# KiCad board nyx.kicad_pcb (continued)
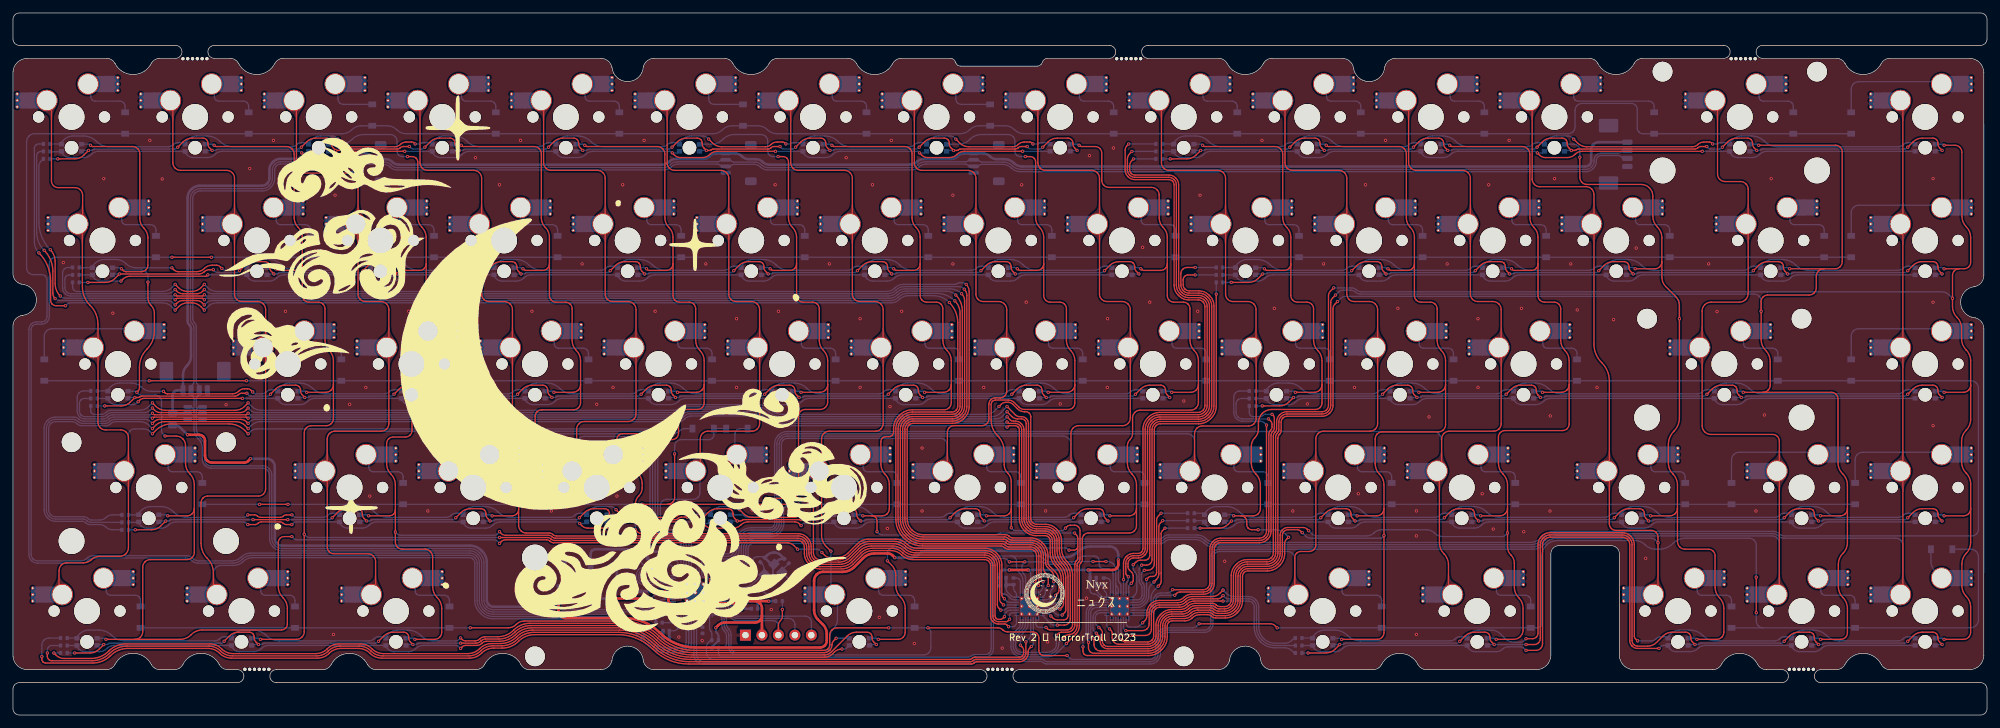
[diagram p0: board, top side]
## Routing (per net, layer and track width the routed paths; a pad name or vN(x,y) marks a point on that pad's centre or on a via; arc(x,y) is an arc through that point) (continued)
Col1: length 192
  Top w0.2: MX60.1 30.9,19.1 30.9,21.9 arc(30.66,23.12) 29.96,24.16 29.94,24.19 arc(29.24,25.22) 29,26.45 29,32.76 arc(29.08,33.14) 29.29,33.47 29.31,33.48 arc(29.63,33.7) 30.01,33.77 37.84,33.77 arc(38.27,33.86) 38.62,34.09 38.63,34.1 arc(38.87,34.46) 38.95,34.88 38.95,56.29 MX32.1 38.95,57.07 38.95,62.52 arc(38.85,63) 38.58,63.4 38.58,63.41 arc(38.18,63.68) 37.7,63.77 35.27,63.77 arc(34.85,63.86) 34.49,64.09 34.47,64.12 arc(34.23,64.47) 34.15,64.89 34.15,75.38 MX17.1 34.15,76.08 34.15,82.79 arc(34.06,83.25) 33.8,83.64 33.79,83.64 arc(33.4,83.9) 32.94,84 25.83,84 arc(25.39,84.08) 25.01,84.33 24.99,84.36 arc(24.74,84.73) 24.65,85.17 24.65,94.4 MX2.1
  Bottom w0.2: MX60.1 30.9,19.1 30.9,21.9 arc(30.99,22.34) 31.24,22.71 31.26,22.74 arc(31.64,22.98) 32.08,23.07 34.06,23.07 arc(34.83,23.22) 35.47,23.66 35.5,23.69 arc(36.15,24.12) 36.92,24.27 70.34,24.27 arc(70.67,24.21) 70.95,24.02 70.95,24.02 arc(71.13,23.75) 71.2,23.42 71.2,17.62 arc(71.39,16.64) 71.94,15.81 72.16,15.6 arc(72.99,15.04) 73.96,14.85 91.88,14.85 arc(93.58,14.51) 95.03,13.55 97.66,10.92 arc(99.1,9.95) 100.8,9.61 103.08,9.61 arc(103.65,9.73) 104.14,10.05 104.15,10.06 arc(104.47,10.54) 104.58,11.12 U3.37
Col2: length 185.4
  Top w0.2: MX3.1 43.7,94.4 43.7,84.75 arc(43.79,84.31) 44.04,83.94 44.06,83.91 arc(44.44,83.67) 44.88,83.58 51.99,83.58 arc(52.45,83.49) 52.84,83.23 52.85,83.22 arc(53.11,82.83) 53.2,82.37 53.2,76.08 MX18.1 53.2,75.38 53.2,64.89 arc(53.28,64.47) 53.52,64.12 53.54,64.09 arc(53.9,63.86) 54.32,63.77 56.7,63.77 arc(57.18,63.68) 57.58,63.41 57.58,63.4 arc(57.85,63) 57.95,62.52 57.95,57.02 MX33.1 57.95,56.34 57.95,44.95 arc(57.86,44.51) 57.61,44.14 57.59,44.11 arc(57.21,43.86) 56.77,43.77 49.63,43.77 arc(49.19,43.68) 48.81,43.44 48.79,43.41 arc(48.54,43.04) 48.45,42.6 48.45,37.99 MX46.1 48.45,37.26 48.45,25.89 arc(48.53,25.5) 48.74,25.18 48.76,25.17 arc(49.08,24.95) 49.46,24.87 54.72,24.87 arc(55.16,24.78) 55.54,24.54 55.56,24.51 arc(55.81,24.14) 55.9,23.7 55.9,19.25 MX61.1
  Bottom w0.2: MX46.1 48.45,37.99 48.45,42.6 arc(48.54,43.04) 48.79,43.41 48.81,43.44 arc(49.19,43.68) 49.63,43.77 97.5,43.77 arc(98.05,43.66) 98.52,43.35 98.58,43.3 arc(98.89,42.83) 99,42.27 99,29.25 arc(99.11,28.72) 99.41,28.26 99.49,28.18 arc(99.94,27.88) 100.48,27.77 102.47,27.77 arc(102.95,27.68) 103.35,27.41 103.42,27.34 arc(103.69,26.93) 103.78,26.45 U3.4
Col3: length 139
  Top w0.2: MX4.1 62.75,94.4 62.75,85.17 arc(62.84,84.73) 63.09,84.36 63.11,84.33 arc(63.49,84.08) 63.93,84 71.04,84 arc(71.5,83.9) 71.89,83.64 71.9,83.64 arc(72.16,83.25) 72.25,82.79 72.25,76.08 MX19.1 72.25,75.38 72.25,64.89 arc(72.33,64.47) 72.57,64.12 72.59,64.09 arc(72.95,63.86) 73.37,63.77 75.75,63.77 arc(76.23,63.68) 76.63,63.41 76.63,63.4 arc(76.9,63) 77,62.52 77,57.02 MX34.1 77,56.34 77,44.95 arc(76.91,44.51) 76.66,44.14 76.64,44.11 arc(76.26,43.86) 75.82,43.77 69.03,43.77 arc(68.59,43.68) 68.21,43.44 68.19,43.41 arc(67.94,43.04) 67.85,42.6 67.85,38.34 MX47.1
  Bottom w0.2: MX47.1 67.8,38.29 67.8,42.36 arc(67.88,42.74) 68.09,43.07 68.11,43.08 arc(68.43,43.3) 68.81,43.37 97.42,43.37 arc(97.86,43.28) 98.24,43.04 98.26,43.01 arc(98.51,42.64) 98.6,42.2 98.6,29.18 arc(98.73,28.53) 99.1,27.97 99.2,27.87 arc(99.75,27.5) 100.4,27.37 102.39,27.37 arc(102.75,27.3) 103.06,27.09 103.11,27.05 arc(103.31,26.74) 103.38,26.38 U3.3
Col4: length 118.8
  Top w0.2: MX5.1 81.8,94.4 81.8,85.17 arc(81.89,84.73) 82.14,84.36 82.16,84.33 arc(82.54,84.08) 82.98,84 90.09,84 arc(90.55,83.9) 90.94,83.64 90.95,83.64 arc(91.21,83.25) 91.3,82.79 91.3,76.08 MX20.1 91.3,75.38 91.3,64.89 arc(91.38,64.47) 91.62,64.12 91.64,64.09 arc(92,63.86) 92.42,63.77 94.8,63.77 arc(95.28,63.68) 95.68,63.41 95.68,63.4 arc(95.95,63) 96.05,62.52 96.05,57.02 MX35.1 96.05,56.34 96.05,46.45 arc(95.96,46.01) 95.71,45.64 95.69,45.61 arc(95.31,45.36) 94.87,45.27 88.08,45.27 arc(87.64,45.18) 87.26,44.94 87.24,44.91 arc(86.99,44.54) 86.9,44.1 86.9,38.34 MX48.1
  Bottom w0.2: MX48.1 86.9,38.34 86.9,41.8 arc(86.99,42.24) 87.24,42.61 87.26,42.64 arc(87.64,42.88) 88.08,42.97 97.35,42.97 arc(97.67,42.91) 97.95,42.72 97.95,42.72 arc(98.14,42.45) 98.2,42.12 98.2,29.1 arc(98.35,28.34) 98.79,27.69 98.92,27.55 arc(99.57,27.12) 100.34,26.96 102.32,26.96 arc(102.57,26.92) 102.78,26.77 102.79,26.76 arc(102.94,26.55) 102.98,26.3 U3.2
Col5: length 102.8
  Top w0.2: MX49.1 105.95,38.34 105.95,42.6 arc(106.04,43.04) 106.29,43.41 106.31,43.44 arc(106.69,43.68) 107.13,43.77 113.92,43.77 arc(114.36,43.86) 114.74,44.11 114.76,44.14 arc(115.01,44.51) 115.1,44.95 115.1,56.34 MX36.1 115.1,57.02 115.1,62.52 arc(115,63) 114.73,63.4 114.73,63.41 arc(114.33,63.68) 113.85,63.77 111.47,63.77 arc(111.05,63.86) 110.69,64.09 110.67,64.12 arc(110.43,64.47) 110.35,64.89 110.35,75.38 MX21.1 110.35,76.08 110.35,82.79 arc(110.26,83.25) 110,83.64 109.99,83.64 arc(109.6,83.9) 109.14,84 102,84 arc(101.56,84.08) 101.19,84.33 101.19,84.34 arc(100.94,84.71) 100.85,85.15 100.85,94.4 MX6.1
  Bottom w0.2: MX49.1 105.9,36.96 105.9,34.29 arc(105.82,33.9) 105.61,33.58 105.59,33.57 arc(105.27,33.35) 104.89,33.27 100.81,33.27 arc(100.43,33.2) 100.11,32.98 100.09,32.97 arc(99.88,32.64) 99.8,32.26 99.8,29.4 arc(99.86,29.1) 100.03,28.84 100.07,28.81 arc(100.33,28.63) 100.63,28.57 102.53,28.57 arc(103.24,28.43) 103.84,28.03 104.04,27.83 arc(104.44,27.23) 104.58,26.52 U3.6
Col6: length 130.9
  Top w0.2: MX7.1 119.9,94.4 119.9,85.17 arc(119.99,84.73) 120.24,84.36 120.26,84.33 arc(120.64,84.08) 121.08,84 128.19,84 arc(128.65,83.9) 129.04,83.64 129.05,83.64 arc(129.31,83.25) 129.4,82.79 129.4,76.08 MX22.1 129.4,75.38 129.4,64.89 arc(129.48,64.47) 129.72,64.12 129.74,64.09 arc(130.1,63.86) 130.52,63.77 132.9,63.77 arc(133.38,63.68) 133.78,63.41 133.78,63.4 arc(134.05,63) 134.15,62.52 134.15,57.02 MX37.1 134.15,56.34 134.15,44.95 arc(134.06,44.51) 133.81,44.14 133.79,44.11 arc(133.41,43.86) 132.97,43.77 125.83,43.77 arc(125.39,43.68) 125.01,43.44 124.99,43.41 arc(124.74,43.04) 124.65,42.6 124.65,37.99 MX50.1 124.65,37.26 124.65,27.76 arc(124.84,26.8) 125.38,25.99 v1(126.1,25.27)
  Bottom w0.2: v1(126.1,25.27) 126.1,19.15 MX62.1 127.1,18.15 127.1,14.75 arc(126.95,13.99) 126.51,13.34 126.51,13.33 arc(126.08,12.68) 125.93,11.92 125.93,10.59 arc(125.85,10.23) 125.65,9.92 125.63,9.9 arc(125.32,9.69) 124.96,9.62 111.62,9.62 arc(111.28,9.69) 110.99,9.89 110.96,9.91 arc(110.77,10.2) 110.7,10.55 110.7,12.41 arc(110.61,12.87) 110.35,13.26 110.34,13.27 arc(110.08,13.66) 109.99,14.12 109.99,16.19 arc(109.95,16.38) 109.84,16.54 arc(109.68,16.65) 109.5,16.68 U3.27
Col7: length 136.1
  Top w0.2: MX8.1 138.95,94.4 138.95,85.17 arc(139.04,84.73) 139.29,84.36 139.31,84.33 arc(139.69,84.08) 140.13,84 147.24,84 arc(147.7,83.9) 148.09,83.64 148.1,83.64 arc(148.36,83.25) 148.45,82.79 148.45,76.08 MX23.1 148.45,75.38 148.45,64.89 arc(148.53,64.47) 148.77,64.12 148.79,64.09 arc(149.15,63.86) 149.57,63.77 151.95,63.77 arc(152.43,63.68) 152.83,63.41 152.83,63.4 arc(153.1,63) 153.2,62.52 153.2,57.02 MX38.1 153.2,56.34 153.2,49.94 arc(153.12,49.55) 152.91,49.23 152.89,49.22 arc(152.57,49) 152.19,48.92 151.45,48.92 arc(151.08,48.85) 150.77,48.65 150.73,48.6 arc(150.52,48.29) 150.45,47.93 150.45,45.7 arc(150.37,45.3) 150.14,44.96 150.12,44.94 arc(149.78,44.71) 149.38,44.63 145.07,44.63 arc(144.69,44.55) 144.37,44.34 144.34,44.32 arc(144.13,43.99) 144.05,43.61 144.05,38.34 MX51.1
  Bottom w0.2: U3.14 107.78,22.99 arc(107.83,23.24) 107.98,23.45 108.01,23.48 arc(108.22,23.62) 108.47,23.67 110.18,23.67 arc(110.75,23.79) 111.24,24.11 111.49,24.36 arc(111.82,24.85) 111.93,25.42 111.93,25.81 arc(112.07,26.54) 112.49,27.15 112.62,27.29 arc(113.24,27.7) 113.96,27.84 116.79,27.84 arc(117.39,27.96) 117.89,28.3 118.01,28.42 arc(118.35,28.92) 118.46,29.51 118.46,41.75 arc(118.53,42.1) 118.73,42.39 118.75,42.41 arc(119.04,42.6) 119.39,42.67 142.99,42.67 arc(143.37,42.6) 143.69,42.38 143.71,42.37 arc(143.92,42.04) 144,41.66 144,38.29 MX51.1
Col8: length 156.8
  Top w0.2: MX9.1 158,94.4 158,85.17 arc(158.09,84.73) 158.34,84.36 158.36,84.33 arc(158.74,84.08) 159.18,84 166.29,84 arc(166.75,83.9) 167.14,83.64 167.15,83.64 arc(167.41,83.25) 167.5,82.79 167.5,76.08 MX24.1 167.5,75.38 167.5,64.89 arc(167.58,64.47) 167.82,64.12 167.84,64.09 arc(168.2,63.86) 168.62,63.77 171,63.77 arc(171.48,63.68) 171.88,63.41 171.88,63.4 arc(172.15,63) 172.25,62.52 172.25,57.02 MX39.1 172.25,56.34 172.25,45.8 arc(172.16,45.36) 171.91,44.99 171.89,44.96 arc(171.51,44.71) 171.07,44.62 164.28,44.62 arc(163.84,44.53) 163.46,44.29 163.44,44.26 arc(163.19,43.89) 163.1,43.45 163.1,38.34 MX52.1
  Bottom w0.2: MX52.1 163.1,38.34 163.1,41.75 arc(163,42.23) 162.73,42.64 162.72,42.66 arc(162.31,42.93) 161.83,43.02 119.36,43.02 arc(118.91,42.93) 118.52,42.67 118.47,42.62 arc(118.21,42.23) 118.11,41.77 118.11,29.53 arc(118.02,29.06) 117.75,28.65 117.66,28.56 arc(117.25,28.29) 116.77,28.19 113.94,28.19 arc(113.1,28.02) 112.39,27.55 112.22,27.39 arc(111.75,26.67) 111.58,25.83 111.58,25.44 arc(111.49,24.98) 111.23,24.6 111.06,24.42 arc(110.67,24.16) 110.21,24.07 108.39,24.07 arc(108.03,24) 107.72,23.79 107.66,23.74 arc(107.46,23.43) 107.38,23.06 U3.13
Col9: length 178.2
  Top w0.2: MX53.1 182.15,38.34 182.15,43.4 arc(182.24,43.84) 182.49,44.21 182.51,44.24 arc(182.89,44.48) 183.33,44.57 190.47,44.57 arc(190.91,44.66) 191.29,44.91 191.31,44.94 arc(191.56,45.31) 191.65,45.75 191.65,55.99 MX40.1 191.63,57.35 191.63,62.52 arc(191.54,63) 191.27,63.4 191.27,63.41 arc(190.86,63.68) 190.38,63.77 188.06,63.77 arc(187.63,63.86) 187.28,64.09 187.26,64.12 arc(187.02,64.47) 186.93,64.89 186.93,74.99 MX25.1 186.93,76.46 186.93,82.79 arc(186.84,83.25) 186.58,83.64 186.58,83.64 arc(186.19,83.9) 185.73,84 178.23,84 arc(177.79,84.08) 177.41,84.33 177.39,84.36 arc(177.14,84.73) 177.05,85.17 177.05,94.4 MX10.1
  Bottom w0.2: MX53.1 182.15,38.34 182.15,42.27 arc(182.07,42.69) 181.83,43.04 181.82,43.05 arc(181.47,43.29) 181.05,43.37 119.34,43.37 arc(118.77,43.26) 118.28,42.93 118.2,42.85 arc(117.88,42.37) 117.76,41.79 117.76,29.56 arc(117.69,29.19) 117.49,28.88 117.42,28.82 arc(117.11,28.61) 116.75,28.54 113.92,28.54 arc(112.97,28.35) 112.15,27.81 111.96,27.62 arc(111.42,26.81) 111.23,25.85 111.23,25.46 arc(111.16,25.12) 110.97,24.83 110.88,24.74 arc(110.58,24.54) 110.24,24.47 108.32,24.47 arc(107.84,24.38) 107.43,24.11 107.35,24.02 arc(107.08,23.62) 106.98,23.14 U3.12
Col10: length 222
  Top w0.2: MX63.1 197.6,19.08 197.6,24.3 arc(197.67,24.64) 197.86,24.94 197.89,24.96 arc(198.18,25.15) 198.52,25.22 199.84,25.22 arc(200.22,25.3) 200.54,25.52 200.56,25.53 arc(200.77,25.85) 200.85,26.24 200.85,37.26 MX54.1 200.85,37.99 200.85,42.6 arc(200.94,43.04) 201.19,43.41 201.21,43.44 arc(201.59,43.68) 202.03,43.77 209.2,43.77 arc(209.64,43.86) 210.01,44.11 210.04,44.14 arc(210.29,44.51) 210.38,44.95 210.38,56.31 MX41.1 210.38,57.04 210.38,62.52 arc(210.28,63) 210.01,63.4 210.01,63.41 arc(209.6,63.68) 209.12,63.77 206.75,63.77 arc(206.32,63.86) 205.97,64.09 205.95,64.12 arc(205.71,64.47) 205.63,64.89 205.63,75.35 MX26.1 205.63,76.1 205.63,82.79 arc(205.53,83.25) 205.27,83.64 205.27,83.64 arc(204.88,83.9) 204.42,84 197.25,84 arc(196.81,84.08) 196.44,84.33 196.44,84.34 arc(196.19,84.71) 196.1,85.15 196.1,94.4 MX11.1
  Bottom w0.2: MX63.1 197.6,19.08 197.6,24.12 arc(197.52,24.54) 197.28,24.89 197.27,24.9 arc(196.91,25.14) 196.49,25.22 186.01,25.22 arc(185.63,25.15) 185.31,24.93 185.29,24.92 arc(185.08,24.59) 185,24.21 185,14.05 arc(184.9,13.57) 184.63,13.17 184.58,13.12 arc(184.18,12.85) 183.7,12.75 177.93,12.75 arc(177.54,12.67) 177.22,12.46 177.19,12.43 arc(176.98,12.11) 176.9,11.72 176.9,9.46 arc(176.79,8.88) 176.46,8.39 176.38,8.31 arc(175.89,7.99) 175.32,7.87 159.32,7.87 arc(159.08,7.92) 158.87,8.06 158.85,8.08 arc(158.64,8.22) 158.39,8.27 148.67,8.27 arc(148.42,8.22) 148.21,8.08 148.19,8.06 arc(147.98,7.92) 147.73,7.87 106.36,7.87 arc(105.84,7.98) 105.4,8.27 105.38,8.29 arc(105.09,8.73) 104.98,9.25 U3.36
Col11: length 233.8
  Top w0.2: MX64.1 221.3,19.2 221.3,23.2 arc(221.12,24.1) 220.61,24.86 220.59,24.88 arc(220.08,25.65) 219.9,26.55 219.9,37.26 MX55.1 ; MX12.1 215.15,94.4 215.15,85.17 arc(215.24,84.73) 215.49,84.36 215.51,84.33 arc(215.89,84.08) 216.33,84 223.47,84 arc(223.93,83.9) 224.32,83.64 224.32,83.64 arc(224.58,83.25) 224.68,82.79 224.68,76.1 MX27.1 224.68,75.35 224.68,64.89 arc(224.76,64.47) 225,64.12 225.02,64.09 arc(225.37,63.86) 225.8,63.77 228.17,63.77 arc(228.65,63.68) 229.06,63.41 229.06,63.4 arc(229.33,63) 229.43,62.52 229.43,57.04 MX42.1 229.43,56.31 229.43,44.95 arc(229.34,44.51) 229.09,44.14 229.06,44.11 arc(228.69,43.86) 228.25,43.77 221.43,43.77 arc(220.99,43.68) 220.61,43.44 220.59,43.41 arc(220.34,43.04) 220.25,42.6 220.25,38.34
  Bottom w0.2: U3.11 106.58,23.16 arc(106.7,23.76) 107.04,24.26 107.2,24.42 arc(107.7,24.75) 108.29,24.87 110.27,24.87 arc(110.5,24.92) 110.69,25.05 110.71,25.06 arc(110.84,25.26) 110.88,25.48 110.88,25.87 arc(111.09,26.94) 111.7,27.85 111.92,28.07 arc(112.83,28.68) 113.9,28.89 116.73,28.89 arc(116.98,28.94) 117.19,29.08 117.22,29.12 arc(117.37,29.33) 117.42,29.58 117.42,41.81 arc(117.55,42.5) 117.94,43.09 118.05,43.19 arc(118.63,43.58) 119.32,43.72 218.93,43.72 arc(219.41,43.63) 219.82,43.35 219.83,43.34 arc(220.1,42.93) 220.2,42.45 220.2,38.29
Col12: length 264.2
  Top w0.2: MX65.1 253.6,19.3 v1(253.6,26.57) 253.6,27.46 arc(253.52,27.84) 253.31,28.17 253.29,28.18 arc(252.97,28.4) 252.59,28.47 247.11,28.47 arc(246.73,28.55) 246.41,28.77 246.39,28.78 arc(246.18,29.1) 246.1,29.49 246.1,37.26 MX56.1 246.1,38 246.1,51.52 arc(245.8,53.05) 244.93,54.34 244.9,54.38 arc(244.03,55.67) 243.73,57.2 243.73,75.35 MX28.1 243.73,76.1 243.73,80.27 arc(243.63,80.73) 243.37,81.12 243.37,81.13 arc(242.98,81.39) 242.52,81.48 235.38,81.48 arc(234.94,81.57) 234.56,81.81 234.54,81.84 arc(234.29,82.21) 234.2,82.65 234.2,94.4 MX13.1
  Bottom w0.2: v1(253.6,26.57) 253.19,26.98 arc(252.87,27.2) 252.49,27.27 237.96,27.27 arc(237.06,27.09) 236.3,26.58 235.98,26.26 arc(235.21,25.75) 234.32,25.57 185.99,25.57 arc(185.5,25.47) 185.07,25.19 185.03,25.15 arc(184.75,24.73) 184.65,24.23 184.65,14.07 arc(184.58,13.71) 184.37,13.4 184.35,13.38 arc(184.04,13.17) 183.68,13.1 177.91,13.1 arc(177.41,13) 176.99,12.72 176.93,12.66 arc(176.65,12.24) 176.55,11.74 176.55,9.47 arc(176.46,9.01) 176.2,8.63 176.15,8.57 arc(175.76,8.31) 175.3,8.22 159.47,8.22 arc(159.22,8.27) 159.01,8.41 158.99,8.43 arc(158.78,8.57) 158.53,8.62 148.52,8.62 arc(148.28,8.57) 148.06,8.43 148.05,8.41 arc(147.83,8.27) 147.59,8.22 106.51,8.22 arc(106.09,8.31) 105.73,8.54 105.71,8.57 arc(105.47,8.92) 105.38,9.34 U3.35
Col13: length 275.7
  Top w0.2: MX14.1 262.78,94.4 262.78,83.45 arc(262.86,83.01) 263.11,82.64 263.14,82.61 arc(263.51,82.36) 263.95,82.27 266.32,82.27 arc(266.76,82.18) 267.14,81.94 267.16,81.91 arc(267.41,81.54) 267.5,81.1 267.5,76.07 MX29.1 267.5,75.39 267.5,65.03 arc(267.4,64.51) 267.1,64.08 267.1,64.07 arc(266.66,63.78) 266.14,63.67 261.76,63.67 arc(261.24,63.57) 260.8,63.28 260.8,63.27 arc(260.5,62.83) 260.4,62.31 260.4,57.06 MX43.1 260.4,56.3 260.4,44.63 arc(260.5,44.11) 260.8,43.68 260.8,43.67 arc(261.24,43.38) 261.76,43.27 271.29,43.27 arc(271.67,43.2) 271.99,42.98 272.01,42.97 arc(272.22,42.64) 272.3,42.26 272.3,38 MX57.1 272.3,37.25 272.3,18.95 MX66.1
  Bottom w0.2: U3.18 109.4,20.28 arc(109.78,20.36) 110.11,20.58 110.14,20.61 arc(110.36,20.94) 110.43,21.32 110.43,21.75 arc(110.47,21.94) 110.58,22.11 110.6,22.13 arc(110.76,22.24) 110.96,22.27 111.62,22.27 arc(112.23,22.4) 112.75,22.74 112.86,22.85 arc(113.21,23.37) 113.33,23.98 113.33,25.73 arc(113.38,25.99) 113.53,26.22 113.55,26.24 arc(113.78,26.39) 114.05,26.44 176.89,26.44 arc(177.29,26.52) 177.63,26.75 177.64,26.77 arc(177.98,26.99) 178.38,27.07 182.25,27.07 arc(183,26.92) 183.63,26.5 183.64,26.49 arc(184.27,26.07) 185.02,25.92 234.17,25.92 arc(235.07,26.1) 235.83,26.61 236.16,26.93 arc(236.92,27.44) 237.82,27.62 271.19,27.62 arc(271.62,27.54) 271.97,27.3 271.98,27.29 arc(272.22,26.94) 272.3,26.52 272.3,18.95 MX66.1
Col14: length 274.1
  Top w0.2: MX15.1 291.35,94.4 291.35,76.1 MX30.1 291.35,75.35 291.35,57.05 MX44.1 291.35,56.3 291.35,38 MX58.1 291.35,37.25 291.35,18.95 MX67.1
  Bottom w0.2: U3.17 109.3,20.68 arc(109.59,20.74) 109.83,20.9 109.86,20.94 arc(110.03,21.18) 110.08,21.47 110.08,21.77 arc(110.15,22.08) 110.32,22.34 110.37,22.39 arc(110.63,22.56) 110.93,22.62 111.6,22.62 arc(112.1,22.72) 112.52,23 112.6,23.08 arc(112.88,23.5) 112.98,24 112.98,25.75 arc(113.05,26.13) 113.27,26.45 113.32,26.5 arc(113.64,26.72) 114.02,26.79 176.74,26.79 arc(177.14,26.87) 177.48,27.1 177.5,27.12 arc(177.84,27.34) 178.24,27.42 182.4,27.42 arc(183.14,27.27) 183.78,26.85 183.79,26.84 arc(184.42,26.42) 185.16,26.27 234.03,26.27 arc(234.92,26.45) 235.69,26.96 236.01,27.28 arc(236.77,27.79) 237.67,27.97 271.32,27.97 arc(271.76,27.88) 272.13,27.63 272.16,27.61 arc(272.53,27.36) 272.97,27.27 290.24,27.27 arc(290.67,27.19) 291.02,26.95 291.03,26.94 arc(291.27,26.59) 291.35,26.17 291.35,18.95 MX67.1
CS1_1: length 239.7
  Top w0.2: v1(144.35,63.62) 144.36,63.61 arc(145.32,62.18) 145.65,60.5 145.65,47.64 arc(145.58,47.3) 145.39,47.01 145.37,46.99 arc(145.08,46.8) 144.74,46.73 138.67,46.73 arc(137.75,46.54) 136.97,46.02 136.8,45.86 arc(136.28,45.08) 136.1,44.16 136.1,30.19 arc(136.4,28.67) 137.26,27.39 137.42,27.23 arc(138.71,26.37) 140.22,26.07 152.28,26.07 arc(152.58,26.01) 152.84,25.84 152.87,25.81 arc(153.13,25.63) 153.44,25.57 156.79,25.57 arc(157.17,25.5) 157.49,25.28 157.51,25.26 arc(157.72,24.94) 157.8,24.56 157.8,21 arc(157.78,20.88) 157.71,20.78 v1(157.5,20.57) ; v1(29.5,62.45) 28.96,62.99 arc(28.31,63.42) 27.55,63.57 26.95,63.57 arc(26.19,63.42) 25.54,62.99 v1(25,62.45) ; v1(8.1,63.12) 6.65,63.12 arc(6.33,63.19) 6.05,63.37 6.05,63.37 arc(5.87,63.65) 5.8,63.97 5.8,66.95 arc(5.34,69.28) 4.01,71.26 v1(4,71.27)
  Bottom w0.2: v1(25,62.45) 24.46,62.99 arc(23.81,63.42) 23.05,63.57 8.86,63.57 arc(8.57,63.52) 8.33,63.35 v1(8.1,63.12) ; v1(157.5,20.57) 157.37,20.45 arc(157.32,20.36) 157.3,20.27 U2.30 ; v1(144.35,63.62) 144.34,63.63 arc(143.19,64.4) 141.83,64.67 138,64.67 arc(137.29,64.53) 136.69,64.13 136.67,64.12 arc(136.07,63.71) 135.37,63.57 31.45,63.57 arc(30.69,63.42) 30.04,62.99 v1(29.5,62.45) ; v1(4,71.27) 3.99,71.28 arc(3.48,72.05) 3.3,72.94 3.3,87.4 arc(3.35,87.65) 3.49,87.86 3.51,87.88 arc(3.72,88.02) 3.97,88.07 R12.1
CS1_2: length 93.5
  Top w0.2: v1(172,88.07) 171.74,87.82 arc(171.53,87.49) 171.45,87.11 171.45,84.06 arc(171.56,83.52) 171.86,83.07 171.94,82.98 arc(172.4,82.68) 172.93,82.57 178.18,82.57 arc(178.49,82.51) 178.74,82.34 178.77,82.32 arc(178.94,82.06) 179,81.75 179,66.26 arc(179.16,65.46) 179.62,64.77 179.75,64.64 arc(180.43,64.18) 181.24,64.02 182.74,64.02 arc(183.12,63.95) 183.44,63.73 183.46,63.72 arc(183.67,63.39) 183.75,63.01 183.75,47.73 arc(183.67,47.33) 183.44,46.99 183.43,46.98 arc(183.09,46.75) 182.69,46.67 176.77,46.67 arc(175.85,46.49) 175.07,45.97 174.9,45.8 arc(174.38,45.02) 174.2,44.1 174.2,25.68 arc(174.14,25.4) 173.98,25.15 173.97,25.14 arc(173.73,24.98) 173.44,24.92 172.71,24.92 arc(172.16,24.81) 171.69,24.5 171.62,24.44 arc(171.31,23.97) 171.2,23.41 v1(171.2,20.87)
  Bottom w0.2: R27.1 v1(172,88.07) ; U4.30 v1(171.2,20.87)
CS2_1: length 237.1
  Top w0.2: v1(4.8,71.67) 4.8,71.67 arc(5.8,70.18) 6.15,68.42 6.15,65.05 arc(6.24,64.61) 6.49,64.24 v1(6.5,64.22) ; v1(145.2,63.87) 145.21,63.86 arc(145.8,62.99) 146,61.95 146,47.62 arc(145.91,47.16) 145.65,46.77 145.61,46.73 arc(145.22,46.47) 144.76,46.38 138.69,46.38 arc(137.88,46.22) 137.2,45.76 137.07,45.63 arc(136.61,44.94) 136.45,44.14 136.45,30.21 arc(136.73,28.81) 137.52,27.63 137.66,27.49 arc(138.84,26.7) 140.24,26.42 152.42,26.42 arc(152.73,26.36) 152.99,26.18 153.02,26.16 arc(153.27,25.98) 153.58,25.92 156.81,25.92 arc(157.3,25.82) 157.73,25.54 157.77,25.5 arc(158.05,25.08) 158.15,24.58 158.15,20.02 v1(158.1,19.97) ; v1(25,63.25) 25.31,63.56 arc(25.71,63.83) 26.19,63.92 28.31,63.92 arc(28.79,63.83) 29.19,63.56 v1(29.5,63.25)
  Bottom w0.2: v1(145.2,63.87) 145.19,63.88 arc(143.93,64.73) 142.43,65.02 137.86,65.02 arc(137.15,64.88) 136.55,64.48 136.53,64.46 arc(135.93,64.06) 135.22,63.92 30.69,63.92 arc(30.21,63.83) 29.81,63.56 v1(29.5,63.25) ; U2.31 157.7,19.37 arc(157.74,19.56) 157.85,19.72 v1(158.1,19.97) ; v1(6.5,64.22) 6.51,64.22 arc(6.83,64) 7.21,63.92 23.81,63.92 arc(24.29,63.83) 24.69,63.56 v1(25,63.25) ; v1(4.8,71.67) 4.79,71.68 arc(3.95,72.94) 3.65,74.44 3.65,86.25 arc(3.7,86.5) 3.84,86.71 3.86,86.73 arc(4.07,86.87) 4.32,86.92 R11.1
CS2_2: length 92.2
  Top w0.2: v1(172.5,86.92) 172.17,86.59 arc(171.89,86.18) 171.8,85.7 171.8,84.08 arc(171.88,83.66) 172.12,83.3 172.18,83.25 arc(172.53,83.01) 172.96,82.92 178.2,82.92 arc(178.62,82.84) 178.98,82.6 179.03,82.55 arc(179.27,82.19) 179.35,81.77 179.35,66.28 arc(179.49,65.59) 179.88,65.01 179.99,64.9 arc(180.57,64.51) 181.26,64.37 182.76,64.37 arc(183.25,64.27) 183.68,63.99 183.72,63.95 arc(184,63.53) 184.1,63.03 184.1,47.71 arc(184,47.19) 183.7,46.75 183.67,46.72 arc(183.23,46.42) 182.71,46.32 176.79,46.32 arc(175.99,46.16) 175.3,45.7 175.17,45.57 arc(174.71,44.88) 174.55,44.08 174.55,25.66 arc(174.47,25.26) 174.24,24.92 174.2,24.88 arc(173.86,24.65) 173.46,24.57 172.73,24.57 arc(172.29,24.49) 171.92,24.24 171.89,24.2 arc(171.64,23.83) 171.55,23.39 171.55,21.87 arc(171.58,21.73) 171.65,21.62 v1(171.95,21.32)
  Bottom w0.2: v1(171.95,21.32) 171.95,20.95 arc(171.91,20.74) 171.79,20.56 171.76,20.53 arc(171.64,20.35) 171.6,20.14 U4.31 ; R26.1 v1(172.5,86.92)
CS3_1: length 235
  Top w0.2: v1(29.5,64.05) 29.35,64.2 arc(29.27,64.25) 29.17,64.27 25.33,64.27 arc(25.23,64.25) 25.15,64.2 v1(25,64.05) ; v1(7.3,64.62) 7.29,64.63 arc(6.71,65.51) 6.5,66.54 6.5,69.97 arc(6.31,70.94) 5.75,71.77 v1(5.75,71.77) ; v1(145.35,64.77) 145.36,64.77 arc(146.09,63.66) 146.35,62.36 146.35,47.6 arc(146.24,47.03) 145.91,46.54 145.84,46.47 arc(145.35,46.14) 144.78,46.03 138.71,46.03 arc(138.02,45.89) 137.43,45.5 137.33,45.39 arc(136.94,44.81) 136.8,44.12 136.8,30.23 arc(137.06,28.95) 137.78,27.86 137.89,27.75 arc(138.98,27.02) 140.26,26.77 152.57,26.77 arc(152.87,26.71) 153.13,26.53 153.16,26.51 arc(153.42,26.33) 153.73,26.27 156.83,26.27 arc(157.44,26.15) 157.96,25.8 158.03,25.73 arc(158.38,25.21) 158.5,24.6 158.5,21 arc(158.52,20.88) 158.59,20.78 v1(158.8,20.57)
  Bottom w0.2: R10.1 4.29,85.38 arc(4.08,85.05) 4,84.67 4,75.99 arc(4.45,73.71) 5.74,71.78 v1(5.75,71.77) ; v1(29.5,64.05) 29.65,64.2 arc(29.73,64.25) 29.83,64.27 135.08,64.27 arc(135.78,64.41) 136.39,64.81 136.4,64.83 arc(137,65.23) 137.71,65.37 143.9,65.37 arc(144.68,65.22) v1(145.35,64.77) ; v1(7.3,64.62) 7.31,64.61 arc(7.69,64.36) 8.13,64.27 24.67,64.27 arc(24.77,64.25) 24.85,64.2 v1(25,64.05) ; U2.32 158.51,19.18 arc(158.72,19.5) 158.8,19.89 v1(158.8,20.57)
CS3_2: length 91
  Top w0.2: v1(172.75,85.77) 172.52,85.54 arc(172.24,85.13) 172.15,84.65 172.15,84.1 arc(172.21,83.79) 172.38,83.53 172.41,83.51 arc(172.67,83.33) 172.98,83.27 178.22,83.27 arc(178.76,83.17) 179.21,82.86 179.29,82.78 arc(179.59,82.33) 179.7,81.79 179.7,66.3 arc(179.81,65.73) 180.14,65.24 180.22,65.16 arc(180.7,64.84) 181.28,64.72 182.78,64.72 arc(183.39,64.6) 183.91,64.25 183.98,64.18 arc(184.33,63.66) 184.45,63.05 184.45,47.69 arc(184.32,47.06) 183.97,46.52 183.9,46.45 arc(183.36,46.1) 182.73,45.97 176.81,45.97 arc(176.12,45.83) 175.54,45.44 175.43,45.33 arc(175.04,44.75) 174.9,44.06 174.9,25.64 arc(174.8,25.13) 174.5,24.69 174.44,24.62 arc(174,24.33) 173.48,24.22 172.75,24.22 arc(172.43,24.16) 172.15,23.97 172.15,23.97 arc(171.96,23.69) 171.9,23.37 171.9,22.88 arc(171.96,22.6) 172.12,22.35 172.48,21.99 arc(172.64,21.75) 172.7,21.46 172.7,20.73 arc(172.68,20.63) 172.63,20.55 v1(172.4,20.32)
  Bottom w0.2: v1(172.4,20.32) 172.15,20.07 arc(172.04,19.91) 172,19.72 U4.32 ; R25.1 v1(172.75,85.77)
CS4_1: length 219
  Top w0.2: v1(146.25,64.97) 146.26,64.96 arc(146.59,64.47) 146.7,63.9 146.7,47.58 arc(146.56,46.89) 146.17,46.31 146.07,46.21 arc(145.49,45.82) 144.8,45.68 138.73,45.68 arc(138.16,45.56) 137.67,45.24 137.59,45.16 arc(137.26,44.67) 137.15,44.1 137.15,30.25 arc(137.38,29.08) 138.04,28.09 138.12,28.01 arc(139.11,27.35) 140.28,27.12 152.71,27.12 arc(153.02,27.06) 153.28,26.88 153.3,26.86 arc(153.56,26.68) 153.87,26.62 156.85,26.62 arc(157.57,26.48) 158.19,26.06 158.29,25.96 arc(158.7,25.35) 158.85,24.62 158.85,22.74 arc(158.94,22.26) 159.22,21.86 159.23,21.84 arc(159.5,21.43) 159.6,20.95 v1(159.6,19.97) ; v1(29.5,64.82) 29.37,64.7 arc(29.29,64.64) 29.2,64.62 25.3,64.62 arc(25.21,64.64) 25.13,64.7 v1(25,64.82)